# Altium PCB PCB1.PcbDoc
Units mm, origin at the board's own origin, x right, y up, seen from the top; angles counter-clockwise.
Board outline 102.87 x 88.52 mm, 2 copper layers (Top Layer, Bottom Layer), stack 0.325 mm thick; 46 components, 51 nets, 202 pads, 8 vias.
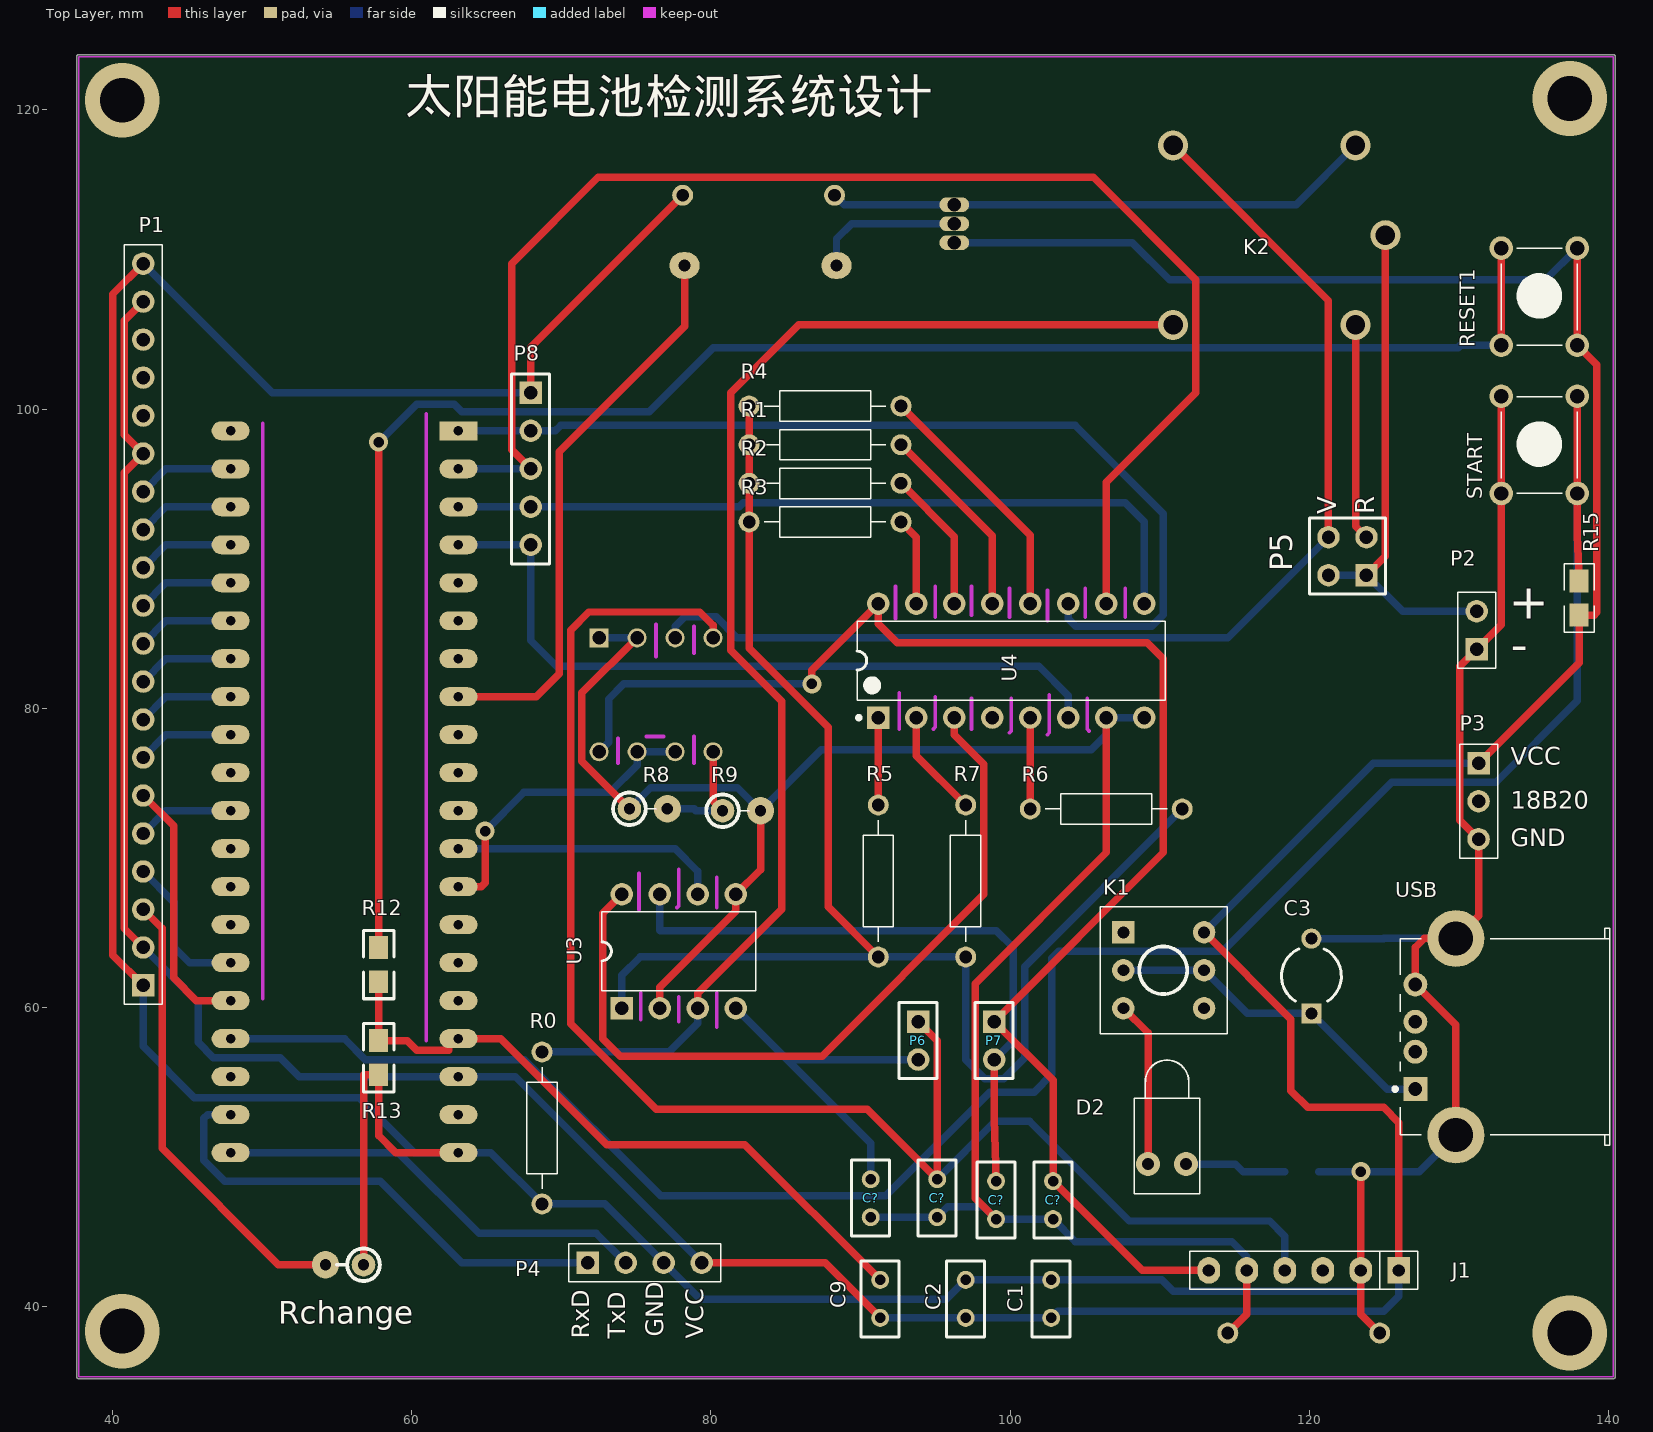
[diagram p0: Top Layer view]
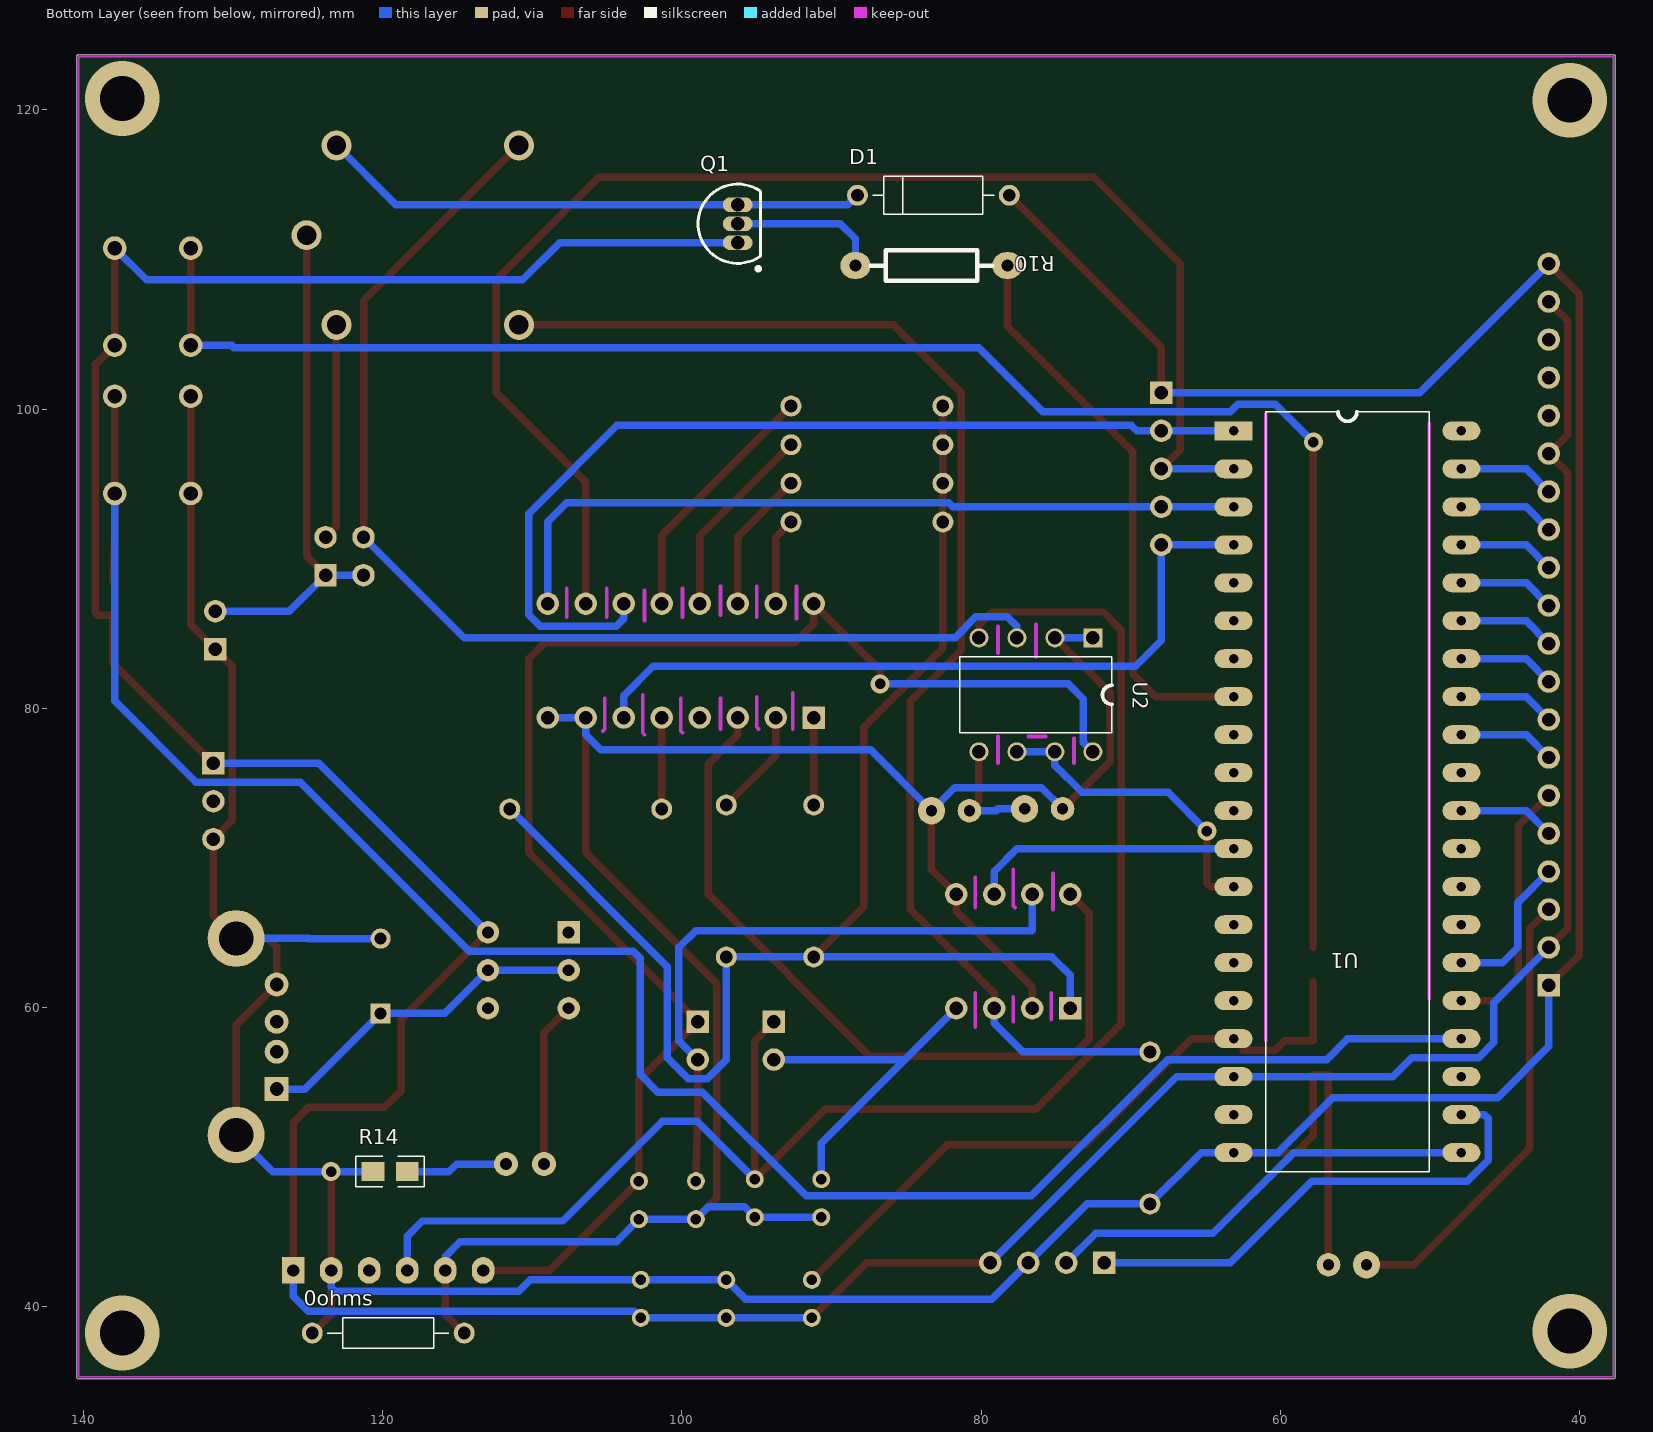
[diagram p1: Bottom Layer view, seen from below]

## Layer stack, top to bottom
Top Solder: solder mask 0.0102, Solder Resist, Dk 3.5
Top Layer: signal copper 0.0356
Dielectric 1: core 0.254, FR-4, Dk 4.2
Bottom Layer: signal copper 0.0356
Solder Side: solder mask 0.0102, Solder Resist, Dk 3.5

## Board outline
37.592,35.306 ccw(c37.719,35.306) 37.719,35.179 140.335,35.179 ccw(c140.335,35.306) 140.462,35.306 140.462,123.571 ccw(c140.335,123.571) 140.335,123.698 37.719,123.698 ccw(c37.719,123.571) 37.592,123.571

## Design rules (kind name [scope] priority, off if disabled: settings)
Clearance [All] p1: gap=0.254
PolygonConnect [All] p1: connectstyle=Relief reliefconductorwidth=0.254 reliefentries=4 polygonreliefangle="90 Angle" airgapwidth=0.254
RoutingVias [All] p1: holewidth=0.711 width=1.27 viastyle="Through Hole" minholewidth=0.711 minwidth=1.27 maxholewidth=0.711 maxwidth=1.27
SolderMaskExpansion [All] p1: expansion=0.102
Width [All] p1: maxlimit=0.8 minlimit=0.2 preferedwidth=0.5
30 further rules are at their usual default settings.

## Classes and differential pairs
component class Sheet3: 0ohms C1 C2 C3 C9 C? D1 D2 J1 K1 K2 P1 P2 P3 P4 P5 P6 P8 Q1 R0 R1 R2 R3 R4 R5 R6 R7 R8 R9 R10 R12 R13 R14 R15 RESET1 start U1 U2 U3 U4 温度检测模块

## Components (designator, comment, footprint, x,y, rotation, side; value= is the part's Value field where it differs from the comment)
0ohms "" AXIAL-0.4 119.634,38.227 r180 bottom
C1 "Cap" RAD-0.1 102.743,40.513 r270 top
C2 "Cap" RAD-0.1 97.028,40.513 r270 top
C3 "Cap2" CAPR5-4X5 120.142,62.103 r90 top
C9 "Cap" RAD-0.1 91.313,40.513 r270 top
C? "Cap" RAD-0.1 90.678,47.244 r90 top
C? "Cap" RAD-0.1 99.06,47.117 r270 top
C? "Cap" RAD-0.1 95.123,47.244 r90 top
C? "Cap" RAD-0.1 102.87,47.117 r90 top
D1 "Diode BAT18" DIODE-0.4 83.185,114.3 r0 bottom
D2 "LED1" LED-1 110.49,49.53 r90 top
J1 "CON6" SIP6 125.984,42.418 r180 top
K1 "BUTTON" BTN8.5*8.5 107.569,65.024 r0 top (schematic designator K?)
K2 "Relay-SPDT" PCBComponent_1 126.492,119.38 r180 top
P1 "Header 20" HDR1X20 42.037,61.468 r90 top
P2 "Header 2" HDR1X2 131.191,83.947 r90 top
P3 "Header 3" HDR1X3 131.318,76.327 r270 top
P4 "Header 4" HDR1X4 71.755,42.926 r0 top (schematic designator P1)
P5 "Header 2X2" HDR2X2 123.825,88.9 r90 top
P6 "Header 2" HDR1X2 93.853,59.055 r270 top
P7 "Header 2" HDR1X2 98.933,59.055 r270 top
P8 "Header 5" HDR1X5 67.945,101.092 r270 top
Q1 "NPN" TO-226-AA 96.266,112.395 r180 bottom
R0 "Res2" AXIAL-0.4 68.707,51.943 r270 top
R1 "Res2" AXIAL-0.4 87.63,97.621 r180 top
R2 "Res2" AXIAL-0.4 87.63,95.038 r180 top
R3 "Res2" AXIAL-0.4 87.63,92.456 r180 top
R4 "Res2" AXIAL-0.4 87.63,100.203 r180 top
R5 "Res2" AXIAL-0.4 91.186,68.453 r270 top
R6 "Res2" AXIAL-0.4 106.426,73.269 r0 top
R7 "Res2" AXIAL-0.4 97.028,68.453 r270 top
R8 "1K" AXIAL0.1Z 74.549,73.279 r0 top
R9 "1K" AXIAL0.1Z 80.772,73.152 r0 top
R10 "Res2" AXIAL0.4 83.312,109.601 r180 bottom
R12 "Res2" 0805 57.785,64.008 r270 top
R13 "Res2" 0805 57.785,55.499 r90 top
R14 "1K" 0805 120.65,49.022 r180 bottom
R15 "Res2" 0805 138.049,88.519 r270 top
Rchange "Res Adj2" AXIAL0.1Z 56.769,42.799 r180 top
RESET1 "KEY_M" KEY_M 132.842,104.267 r90 top
START "KEY_M" KEY_M 132.842,94.361 r90 top (schematic designator start)
U1 "15F2K60S2" DIP40 63.119,98.552 r180 bottom
U2 "NE5532A_P_8" DIP08 72.517,84.709 r270 bottom
U3 "AD620AN" N-8 77.851,63.754 r0 top (schematic designator U5)
U4 "4051" DIP-16 100.076,83.185 r90 top
USB "440068-1" 440068 140.081,58.039 r0 top

## Footprints (in the part's own frame and the unit in brackets; to place one, negate y for a bottom-side part, rotate by r counter-clockwise, add the part's x,y. Pads: shape width x height; smd on the part's side, far side on the other; paste and mask are expansions set on the pad)
0805 [mil]
  rect 60x50 smd: 1(0,0) 2(90,0)
  silkscreen extent -45,-40 135,40
440068 [mm] "Connector; USB1.1, Reverse Type, Thru-Hole; 4 Position; Right Angle"
  rect 1.6x1.6 hole 0.92: 1(-12.99,-3.5)
  round 1.6 hole 0.92: 2(-12.99,-1) 3(-12.99,1) 4(-12.99,3.5)
  round 3.8 hole 2.3: 5(-10.28,6.57) 6(-10.28,-6.57)
  silkscreen extent -14.46,-7.25 0,7.25
AXIAL0.1Z [mil]
  round 62 hole 30: 1(0,0)
  round 72 hole 30: 2(100,0)
  silkscreen extent -43,-43 70,43
AXIAL0.4 [mil]
  oval 80x70 hole 32: 1(-200,0) 2(200,0)
  silkscreen extent -160,-40 160,40
AXIAL-0.4 [mm] "Axial Device, Thru-Hole; 2 Leads; 0.4 in Pin Spacing"
  round 1.4 hole 0.85: 1(-5.08,0) 2(5.08,0)
  silkscreen extent -4.06,-1.02 4.06,1.02
BTN8.5*8.5 [mm]
  rect 1.5x1.5 hole 0.8: 1(0,0)
  round 1.5 hole 0.8: 2(0,-2.54) 3(0,-5.08) 4(5.4,-5.08) 5(5.4,-2.54) 6(5.4,0)
  silkscreen extent -1.55,-6.79 6.95,1.71
CAPR5-4X5 [mm] "Capacitor; 2 Leads"
  rect 1.35x1.35 hole 0.8: 1(-2.5,0)
  round 1.35 hole 0.8: 2(2.5,0)
  silkscreen extent -1.69,-2 1.82,2
DIODE-0.4 [mm] "Diode, Thru-Hole; 2 Leads; 0.4 in Pin Spacing"
  round 1.4 hole 0.85: 1(-5.08,0) 2(5.08,0)
  silkscreen extent -4.06,-1.27 4.06,1.27
DIP08 [mm]
  rect 1.27x1.27 hole 0.9: 1(0,0)
  round 1.27 hole 0.9: 2(0,-2.54) 3(0,-5.08) 4(0,-7.62) 5(7.62,-7.62) 6(7.62,-5.08) 7(7.62,-2.54) 8(7.62,0)
  silkscreen extent 1.27,-8.89 6.35,1.27
DIP40 [mm]
  rect 2.54x1.27 hole 0.635: 1(0,0)
  oval 2.54x1.27 hole 0.635: 2(0,-2.54) 3(0,-5.08) 4(0,-7.62) 5(0,-10.16) 6(0,-12.7) 7(0,-15.24) 8(0,-17.78) 9(0,-20.32) 10(0,-22.86) 11(0,-25.4) 12(0,-27.94) 13(0,-30.48) 14(0,-33.02) 15(0,-35.56) 16(0,-38.1) 17(0,-40.64) 18(0,-43.18) 19(0,-45.72) 20(0,-48.26) 21(15.24,-48.26) 22(15.24,-45.72) 23(15.24,-43.18) 24(15.24,-40.64) 25(15.24,-38.1) 26(15.24,-35.56) 27(15.24,-33.02) 28(15.24,-30.48) 29(15.24,-27.94) 30(15.24,-25.4) 31(15.24,-22.86) 32(15.24,-20.32) 33(15.24,-17.78) 34(15.24,-15.24) 35(15.24,-12.7) 36(15.24,-10.16) 37(15.24,-7.62) 38(15.24,-5.08) 39(15.24,-2.54) 40(15.24,0)
  silkscreen extent 2.16,-49.53 13.08,1.27
DIP-16 [mm] "DIP; 16 Leads; Row Spacing 7.62 mm; Pitch 2.54 mm"
  rect 1.5x1.5 hole 0.9: 1(-3.81,8.89)
  round 1.5 hole 0.9: 2(-3.81,6.35) 3(-3.81,3.81) 4(-3.81,1.27) 5(-3.81,-1.27) 6(-3.81,-3.81) 7(-3.81,-6.35) 8(-3.81,-8.89) 9(3.81,-8.89) 10(3.81,-6.35) 11(3.81,-3.81) 12(3.81,-1.27) 13(3.81,1.27) 14(3.81,3.81) 15(3.81,6.35) 16(3.81,8.89)
  silkscreen extent -3.93,-10.3 2.65,10.31, body extent -3.6,-10.28 3.6,10.28, height 5.08
HDR1X2 [mm] "Connector; Header; 2 Position"
  rect 1.5x1.5 hole 0.9: 1(0,0)
  round 1.5 hole 0.9: 2(2.54,0)
  silkscreen extent -1.27,-1.27 3.81,1.27
HDR1X3 [mm] "Connector; Header; 3 Position"
  rect 1.5x1.5 hole 0.9: 1(0,0)
  round 1.5 hole 0.9: 2(2.54,0) 3(5.08,0)
  silkscreen extent -1.27,-1.27 6.35,1.27
HDR1X4 [mm] "Connector; Header; 4 Position"
  rect 1.5x1.5 hole 0.9: 1(0,0)
  round 1.5 hole 0.9: 2(2.54,0) 3(5.08,0) 4(7.62,0)
  silkscreen extent -1.27,-1.27 8.89,1.27
HDR1X5 [mm] "Connector; Header; 5 Position"
  rect 1.5x1.5 hole 0.9: 1(0,0)
  round 1.5 hole 0.9: 2(2.54,0) 3(5.08,0) 4(7.62,0) 5(10.16,0)
  silkscreen extent -1.27,-1.27 11.43,1.27
HDR1X20 [mm] "Connector; Header; 20 Position"
  rect 1.5x1.5 hole 0.9: 1(0,0)
  round 1.5 hole 0.9: 2(2.54,0) 3(5.08,0) 4(7.62,0) 5(10.16,0) 6(12.7,0) 7(15.24,0) 8(17.78,0) 9(20.32,0) 10(22.86,0) 11(25.4,0) 12(27.94,0) 13(30.48,0) 14(33.02,0) 15(35.56,0) 16(38.1,0) 17(40.64,0) 18(43.18,0) 19(45.72,0) 20(48.26,0)
  silkscreen extent -1.27,-1.27 49.53,1.27
HDR2X2 [mm] "Connector; Header; 2x2 Position"
  rect 1.5x1.5 hole 0.9: 1(0,0)
  round 1.5 hole 0.9: 2(0,2.54) 3(2.54,0) 4(2.54,2.54)
  silkscreen extent -1.27,-1.27 3.81,3.81
KEY_M [mil]
  round 62 hole 38: 1(0,0) 1(255.91,0) 2(0,-200) 2(255.91,-200)
  silkscreen extent 0,-200 255,0
LED-1 [mm] "LED; 2 Leads"
  round 1.6 hole 0.8: 1(0,1.27) 2(0,-1.27)
  silkscreen extent -2,-2.2 6.95,2.2
N-8 [mm] "DIP; 8 Leads; Row Spacing 7.62 mm; Pitch 2.54 mm"
  rect 1.5x1.5 hole 0.9: 1(-3.81,-3.81)
  round 1.5 hole 0.9: 2(-1.27,-3.81) 3(1.27,-3.81) 4(3.81,-3.81) 5(3.81,3.81) 6(1.27,3.81) 7(-1.27,3.81) 8(-3.81,3.81)
  silkscreen extent -5.15,-2.65 5.15,2.65
PCBComponent_1 [mm]
  round 2 hole 1.3: 1(3.4,13.75) 2(1.4,7.75) 3(3.4,1.75) 4(15.6,13.75) 5(15.6,1.75)
RAD-0.1 [mm] "Radial Cap, Thru-Hole; 2 Leads; 0.1 in Pin Spacing"
  round 1.2 hole 0.7: 1(-1.27,0) 2(1.27,0)
  silkscreen extent -2.54,-1.27 2.54,1.27
SIP6 [mil]
  rect 60x70 hole 32: 1(0,0)
  oval 60x70 hole 32: 2(100,0) 3(200,0) 4(300,0) 5(400,0) 6(500,0)
  silkscreen extent -50,-50 550,50
TO-226-AA [mm] "TO, Flat Index; 3 In-Line, Axial Leads; Body Dia. 4.8mm; Leads 0.55 x 0.51 mm (max)"
  oval 2x1 hole 0.9: 1(0,-1.27) 2(0,0) 3(0,1.27)
  silkscreen extent -2.65,-3.13 1.52,2.65, body extent -2.66,-2.66 1.52,2.66, height 5.33

## Part data
0ohms: library part Res2, "Resistor"
C1 C2 C3 C9 C? C? C? C?: "Capacitor"
D1: "Low-Loss RF Switching Diode"
D2: "Typical RED GaAs LED"
K2: "Single-Pole Dual-Throw Relay"
P1: "Header, 20-Pin"
P2 P6 P7: "Header, 2-Pin"
P3: "Header, 3-Pin"
P4: "Header, 4-Pin"
P5: "Header, 2-Pin, Dual row"
P8: "Header, 5-Pin"
Q1: "NPN Bipolar Transistor"
R0 R1 R2 R3 R4 R5 R6 R7 R10 R12 R13 R15: "Resistor"
R8 R9 R14: library part R
Rchange: "Variable Resistor"
U2: "Imported"
U3: "Low-Cost, Low-Power Instrumentation Amplifier"
USB: "USB 1.1, Right Angle, Thru-Hole, Reverse Type, Receptacle, 4 Position, Black"

## Via types
v1: diameter 1.27, hole 0.711, Top Layer to Bottom Layer, 4 vias
v2: diameter 5, hole 3, Top Layer to Bottom Layer, 4 vias

## Nets (pads, with @x,y where several pads share a name; then routed paths per layer and width w, separated by ;. In a path a pad name is that pad's centre, name@x,y a point inside that pad or via, vN(x,y) a via of type N, cw(c..) or ccw(c..) an arc to the next point about the centre after c; other vN are vias at no path point)
18B20: P3.2
DB0: P1.7 U1.32 | length 6.5
  Bottom Layer w0.5: P1.7 43.561,78.232 U1.32
DB1: P1.8 U1.33 | length 6.5
  Bottom Layer w0.5: P1.8 43.561,80.772 U1.33
DB2: P1.9 U1.34 | length 6.5
  Bottom Layer w0.5: P1.9 43.561,83.312 U1.34
DB3: P1.10 U1.35 | length 6.5
  Bottom Layer w0.5: P1.10 43.561,85.852 U1.35
DB4: P1.11 U1.36 | length 6.5
  Bottom Layer w0.5: P1.11 43.561,88.392 U1.36
DB5: P1.12 U1.37 | length 6.5
  Bottom Layer w0.5: P1.12 43.561,90.932 U1.37
DB6: P1.13 U1.38 | length 6.5
  Bottom Layer w0.5: P1.13 43.561,93.472 U1.38
DB7: P1.14 U1.39 | length 6.5
  Bottom Layer w0.5: P1.14 43.561,96.012 U1.39
GND: 0ohms.1 C1.1 C2.1 C3.2 D1.1 J1.2 P1.1 P1.20 P2.1 P3.3 P4.3 P8.1 R0.2 R13.1 R14.1 Rchange.1 START.1 U1.20 USB.4 USB.5 USB.6 | length 301.3
  Top Layer w0.5: P1.1 40.005,63.5 40.005,107.696 P1.20 ; Rchange.1 56.769,55.499 R13.1 57.785,51.435 58.928,50.292 U1.20 ; P8.1 67.945,104.14 D1.1 ; v1(123.444,49.022) J1.2 123.444,39.497 0ohms.1 ; USB.6 129.801,58.829 USB.4 127.091,64.008 127.692,64.609 USB.5 131.318,66.126 P3.3 130.048,72.517 130.048,82.804 P2.1 132.842,85.598 132.842,94.361 START.1@132.842,100.861
  Bottom Layer w0.5: P1.1 42.037,57.404 45.466,53.975 56.49,53.975 60.173,50.292 U1.20 65.278,50.292 R0.2 72.898,46.863 P4.3 79.273,40.488 95.733,40.488 C2.1 C1.1 110.134,41.783 110.896,41.021 123.19,41.021 123.444,41.275 J1.2 ; P1.20 50.673,101.092 P8.1 ; C3.2 124.968,64.603 124.974,64.609 USB.5 ; R14.1 v1(123.444,49.022) 127.354,49.022 USB.6
GND1: 0ohms.2 C?.1@90.678,45.974 C?.1@95.123,45.974 C?.1@102.87,45.847 C?.2@99.06,45.847 J1.5 R8.1 R9.2 U2.1 U2.2 U3.2 U3.5 U4.7 U4.8 | length 141.9
  Top Layer w0.5: R8.1 71.374,76.454 71.374,81.026 U2.2 ; U3.2 76.581,61.341 81.661,66.421 U3.5 83.312,69.215 R9.2 ; C?.2@99.06,45.847 97.663,47.244 97.663,61.595 106.426,70.358 U4.7 ; 0ohms.2 115.824,39.497 J1.5
  Bottom Layer w0.5: U2.1 U2.2 ; R8.1 75.971,74.701 81.763,74.701 R9.2 87.376,77.216 105.41,77.216 106.426,78.232 U4.7 U4.8 ; C?.1@90.678,45.974 95.123,45.974 95.814,46.665 98.242,46.665 99.06,45.847 102.87,45.847 104.369,44.348 114.808,44.348 115.824,43.332 J1.5
IINPUT: K2.4 R0.1 U3.3 | length 88.5
  Top Layer w0.5: U3.3 79.121,60.96 84.734,66.573 84.734,80.467 81.331,83.871 81.331,101.092 85.869,105.63 K2.4
  Bottom Layer w0.5: R0.1 77.216,57.023 79.121,58.928 U3.3
INPUT: K2.2 P2.2 P5.1 P5.2 | length 34.2
  Top Layer w0.5: P5.1 125.092,90.167 K2.2
  Bottom Layer w0.5: P5.2 P5.1 126.238,86.487 P2.2
IOUTDATA: U1.12 U3.6 | length 18.2
  Bottom Layer w0.5: U1.12 77.597,70.612 79.121,69.088 U3.6
KSW: R10.2 U1.8 | length 38.1
  Top Layer w0.5: U1.8 68.326,80.772 69.85,82.296 69.85,97.155 78.232,105.537 R10.2
LCDEN: P1.6 U1.25 | length 17.5
  Top Layer w0.5: P1.6 44.069,72.136 44.069,61.976 45.593,60.452 U1.25
NetC3_1: C3.1 K1.2 K1.5 USB.1 | length 22.8
  Bottom Layer w0.5: K1.2 K1.5 115.85,59.603 C3.1 125.206,54.539 USB.1
NetD1_3: D1.2 K2.3 Q1.3 | length 36.7
  Bottom Layer w0.5: D1.2 88.9,113.665 Q1.3 119.127,113.665 K2.3
NetD2_1: D2.1 K1.3 | length 11.1
  Top Layer w0.5: K1.3 109.22,58.293 D2.1
NetD2_2: D2.2 R14.2 | length 6.8
  Bottom Layer w0.5: D2.2 115.062,49.53 115.57,49.022 R14.2
NetP1_3: P1.3 Rchange.2 | length 30.6
  Top Layer w0.5: P1.3 43.307,65.278 43.307,50.571 51.079,42.799 Rchange.2
NetQ1_2: Q1.2 R10.1 | length 10.1
  Bottom Layer w0.5: R10.1 88.392,111.379 89.408,112.395 Q1.2
NetR1_1: R1.1 U4.13 | length 13.2
  Top Layer w0.5: R1.1 98.806,91.525 U4.13
NetR2_1: R2.1 U4.14 | length 9.5
  Top Layer w0.5: R2.1 96.266,91.482 U4.14
NetR3_1: R3.1 U4.15 | length 5.9
  Top Layer w0.5: R3.1 93.726,91.44 U4.15
NetR4_1: R4.1 U4.12 | length 16.8
  Top Layer w0.5: R4.1 101.346,91.567 U4.12
NetR5_1: R5.1 U4.1 | length 5.8
  Top Layer w0.5: R5.1 91.186,76.429 U4.1
NetR6_1: R6.1 U4.5 | length 6.1
  Top Layer w0.5: R6.1 U4.5
NetR7_1: R7.1 U4.2 | length 7.2
  Top Layer w0.5: U4.2 93.726,76.835 R7.1
NetR8_2: R8.2 R9.1 U2.5 | length 7.9
  Top Layer w0.5: U2.5 80.137,73.787 R9.1
  Bottom Layer w0.5: R8.2 78.867,73.279 78.994,73.152 R9.1
NetR12_1: R12.1 RESET1.1 | length 118.4
  Top Layer w0.5: R12.1 v1(57.785,97.79) ; RESET1.1@132.842,104.267 RESET1.1@132.842,110.767
  Bottom Layer w0.5: v1(57.785,97.79) 60.325,100.33 62.84,100.33 63.348,99.822 75.87,99.822 80.162,104.115 129.946,104.115 130.099,104.267 RESET1.1@132.842,104.267
P3.0: P4.1 U1.22 | length 33.2
  Bottom Layer w0.5: U1.22 46.355,52.832 46.101,52.578 46.101,49.784 47.498,48.387 57.887,48.387 63.348,42.926 P4.1
P3.1: P4.2 U1.21 | length 29.5
  Bottom Layer w0.5: U1.21 59.106,50.292 64.491,44.907 72.314,44.907 P4.2
RELAY: K2.1 P5.3 | length 14.5
  Top Layer w0.5: K2.1 123.092,92.173 P5.3
RESINT: R1.2 R2.2 R3.2 R4.2 R5.2 R6.2 R7.2 U3.1 | length 99
  Top Layer w0.5: R4.2 R1.2 R2.2 R3.2 82.55,84.003 87.833,78.719 87.833,66.726 R5.2
  Bottom Layer w0.5: U3.1 74.041,62.154 75.26,63.373 R5.2 R7.2 97.028,56.515 98.298,55.245 99.568,55.245 100.965,56.642 100.965,62.728 R6.2
RESOUT: U3.8 U4.3 | length 53.3
  Top Layer w0.5: U3.8 72.771,66.294 72.771,57.912 73.939,56.744 87.427,56.744 98.247,67.564 98.247,76.251 96.266,78.232 U4.3
RS: P1.4 U1.26 | length 10.1
  Bottom Layer w0.5: P1.4 44.12,67.005 44.12,64.008 45.136,62.992 U1.26
RST: C9.1 R12.2 R13.2 U1.17 | length 45.2
  Top Layer w0.5: R12.2 R13.2 59.69,57.785 60.325,57.15 62.484,57.15 62.484,57.912 U1.17 65.938,57.912 73.025,50.825 82.271,50.825 C9.1
START: R15.1 START.2 U1.24 | length 138.9
  Top Layer w0.5: START.2@137.922,100.861 137.922,94.361 137.922,91.567 R15.1
  Bottom Layer w0.5: U1.24 55.499,57.912 56.896,56.515 67.512,56.515 76.631,47.396 91.694,47.396 98.628,54.331 101.6,54.331 102.794,55.524 102.794,63.297 103.251,63.754 114.224,63.754 125.527,75.057 132.486,75.057 137.922,80.493 START.2@137.922,94.361
SW1: P8.2 U1.1 U4.11 | length 64.4
  Bottom Layer w0.5: U1.1 P8.2 69.596,98.552 69.952,98.908 104.343,98.908 110.236,93.015 110.236,86.249 109.462,85.475 104.394,85.475 103.886,85.983 U4.11
SW2: P8.3 U1.2 U4.10 | length 94.2
  Top Layer w0.5: P8.3 66.675,97.282 66.675,109.728 72.466,115.519 105.562,115.519 112.42,108.661 112.42,101.092 106.426,95.098 U4.10
  Bottom Layer w0.5: U1.2 P8.3
SW3: P8.4 U1.3 U4.9 | length 52
  Bottom Layer w0.5: U1.3 P8.4 81.89,93.472 82.169,93.751 107.696,93.751 108.966,92.481 U4.9
SW4: P8.5 U1.4 U4.6 | length 50.2
  Bottom Layer w0.5: U1.4 P8.5 67.945,84.531 69.672,82.804 101.93,82.804 103.886,80.848 U4.6
VCC: C1.2 C2.2 C9.2 J1.1 K1.6 P1.2 P1.15 P1.19 P3.1 P4.4 Q1.1 R15.2 RESET1.2 U1.18 | length 279.8
  Top Layer w0.5: P1.2 40.767,65.278 40.767,95.758 P1.15 40.767,98.298 40.767,105.918 P1.19 ; P4.4 87.63,42.926 C9.2 ; K1.6 118.77,59.223 118.77,54.432 119.888,53.315 124.968,53.315 125.984,52.299 J1.1 ; P3.1 138.049,83.058 R15.2 139.04,86.233 139.217,86.411 139.217,102.972 137.922,104.267 RESET1.2@137.922,110.767
  Bottom Layer w0.5: P1.2 45.72,60.325 45.72,57.658 46.736,56.642 51.206,56.642 52.476,55.372 U1.18 66.929,55.372 P4.4 ; C9.2 C2.2 C1.2 103.175,39.675 124.968,39.675 125.984,40.691 J1.1 ; Q1.1 108.179,111.125 110.668,108.636 135.791,108.636 RESET1.2@137.922,110.767 ; K1.6 124.272,76.327 P3.1
VCC1: C?.2@102.87,48.387 J1.6 P7.1 U2.8 U4.16 | length 100.5
  Top Layer w0.5: v1(86.741,81.636) 86.741,82.55 U4.16 91.186,85.649 92.456,84.379 109.169,84.379 110.236,83.312 110.236,70.358 P7.1 102.87,55.118 102.87,48.387 108.839,42.418 J1.6
  Bottom Layer w0.5: U2.8 73.152,77.724 73.152,80.62 74.168,81.636 v1(86.741,81.636)
VCC2: C?.1@99.06,48.387 P7.2 U3.7 | length 42.7
  Top Layer w0.5: P7.2 98.933,52.578 C?.1@99.06,48.387
  Bottom Layer w0.5: U3.7 76.581,65.151 76.606,65.126 99.085,65.126 100.203,64.008 100.203,57.785 P7.2
VEE1: C?.2@95.123,48.514 J1.4 P6.1 U2.4 | length 107.7
  Top Layer w0.5: U2.4 80.137,85.547 79.248,86.436 71.831,86.436 70.612,85.217 70.612,58.903 76.327,53.188 90.449,53.188 95.123,48.514 95.123,57.785 P6.1
  Bottom Layer w0.5: C?.2@95.123,48.514 98.984,52.375 101.321,52.375 107.975,45.72 117.348,45.72 118.364,44.704 J1.4
VEE2: C?.2@90.678,48.514 P6.2 U3.4 | length 23.9
  Bottom Layer w0.5: U3.4 85.09,56.515 ; C?.2@90.678,48.514 90.678,50.927 85.09,56.515 ; P6.2 85.09,56.515
VINPUT: K2.5 P5.4 U2.3 | length 78.6
  Top Layer w0.5: K2.5 121.285,107.237 P5.4
  Bottom Layer w0.5: U2.3 77.597,85.471 78.232,86.106 80.351,86.106 81.736,84.721 114.566,84.721 P5.4
VOUTDATA: U1.13 U2.6 U2.7 | length 20.8
  Top Layer w0.5: U1.13 64.643,68.072 64.897,68.326 v1(64.897,71.78)
  Bottom Layer w0.5: v1(64.897,71.78) 67.488,74.371 73.228,74.371 75.057,76.2 U2.7 U2.6
WR: P1.5 U1.30 | length 6.5
  Bottom Layer w0.5: P1.5 43.561,73.152 U1.30
pads on no net: J1.3 K1.1 K1.4 P1.16 P1.17 P1.18 U1.5 U1.6 U1.7 U1.9 U1.10 U1.11 U1.14 U1.15 U1.16 U1.19 U1.23 U1.27 U1.28 U1.29 U1.31 U1.40 U4.4 USB.2 USB.3
copper on no net:
  other v2: 137.414,38.227 40.64,38.354 40.64,120.65 137.414,120.777

## Keep-outs
Keep-Out Layer:
  lines w0.1: 37.719,35.306 37.719,123.571 140.335,123.571 140.335,35.306 37.719,35.306
  lines w0.254: 50.038,60.579 50.038,99.06 ; 60.96,57.785 60.96,99.695 ; 73.787,76.327 73.787,77.978 ; 75.184,66.548 75.184,68.961 ; 75.311,59.182 75.311,60.96 ; 75.692,78.105 76.835,78.105 ; 76.327,83.439 76.327,85.598 ; 77.724,66.675 77.851,66.802 77.851,69.215 ; 77.851,59.055 77.851,60.706 ; 78.867,76.327 78.867,78.105 ; 78.867,83.693 78.867,85.471 ; 80.391,58.674 80.391,60.96 ; 80.391,66.675 80.391,68.707 ; 92.329,85.979 92.329,88.138 ; 92.583,78.613 92.583,81.026 ; 94.869,78.613 94.996,78.74 94.996,80.772 ; 94.996,86.106 94.996,88.138 ; 97.409,78.613 97.409,80.645 ; 97.409,86.233 97.409,88.138 ; 99.949,78.359 100.076,78.486 100.076,80.645 ; 99.949,86.106 99.949,88.011 ; 102.489,78.232 102.616,78.359 102.616,80.899 ; 102.489,85.852 102.489,87.884 ; 105.029,86.106 105.029,88.011 ; 105.156,80.645 105.156,78.613 105.283,78.486 ; 107.696,86.106 107.696,88.011

## Silkscreen, mask and mechanical layers (free items; w line width, h text height)
Top Overlay:
  text "太阳能电池检测系统设计" at 59.563,118.999 h4
  text "+" at 133.35,85.217 h4
  text "-" at 133.477,82.423 h4
  text "VCC" at 133.477,75.819 h2
  text "18B20" at 133.477,72.898 h2
  text "GND" at 133.477,70.358 h2
  text "GND" at 77.216,37.973 h2 r90
  text "RxD" at 72.263,37.846 h2 r90
  text "TxD" at 74.676,37.846 h2 r90
  text "VCC" at 79.883,37.846 h2 r90

## Text inside footprints (layer, text, board x,y; h text height)
P5: Top Overlay "V" at 121.793,92.964 h1.27 r90; Top Overlay "R" at 124.333,92.964 h1.27 r90